# KiCad board emon36.kicad_pcb (continued)
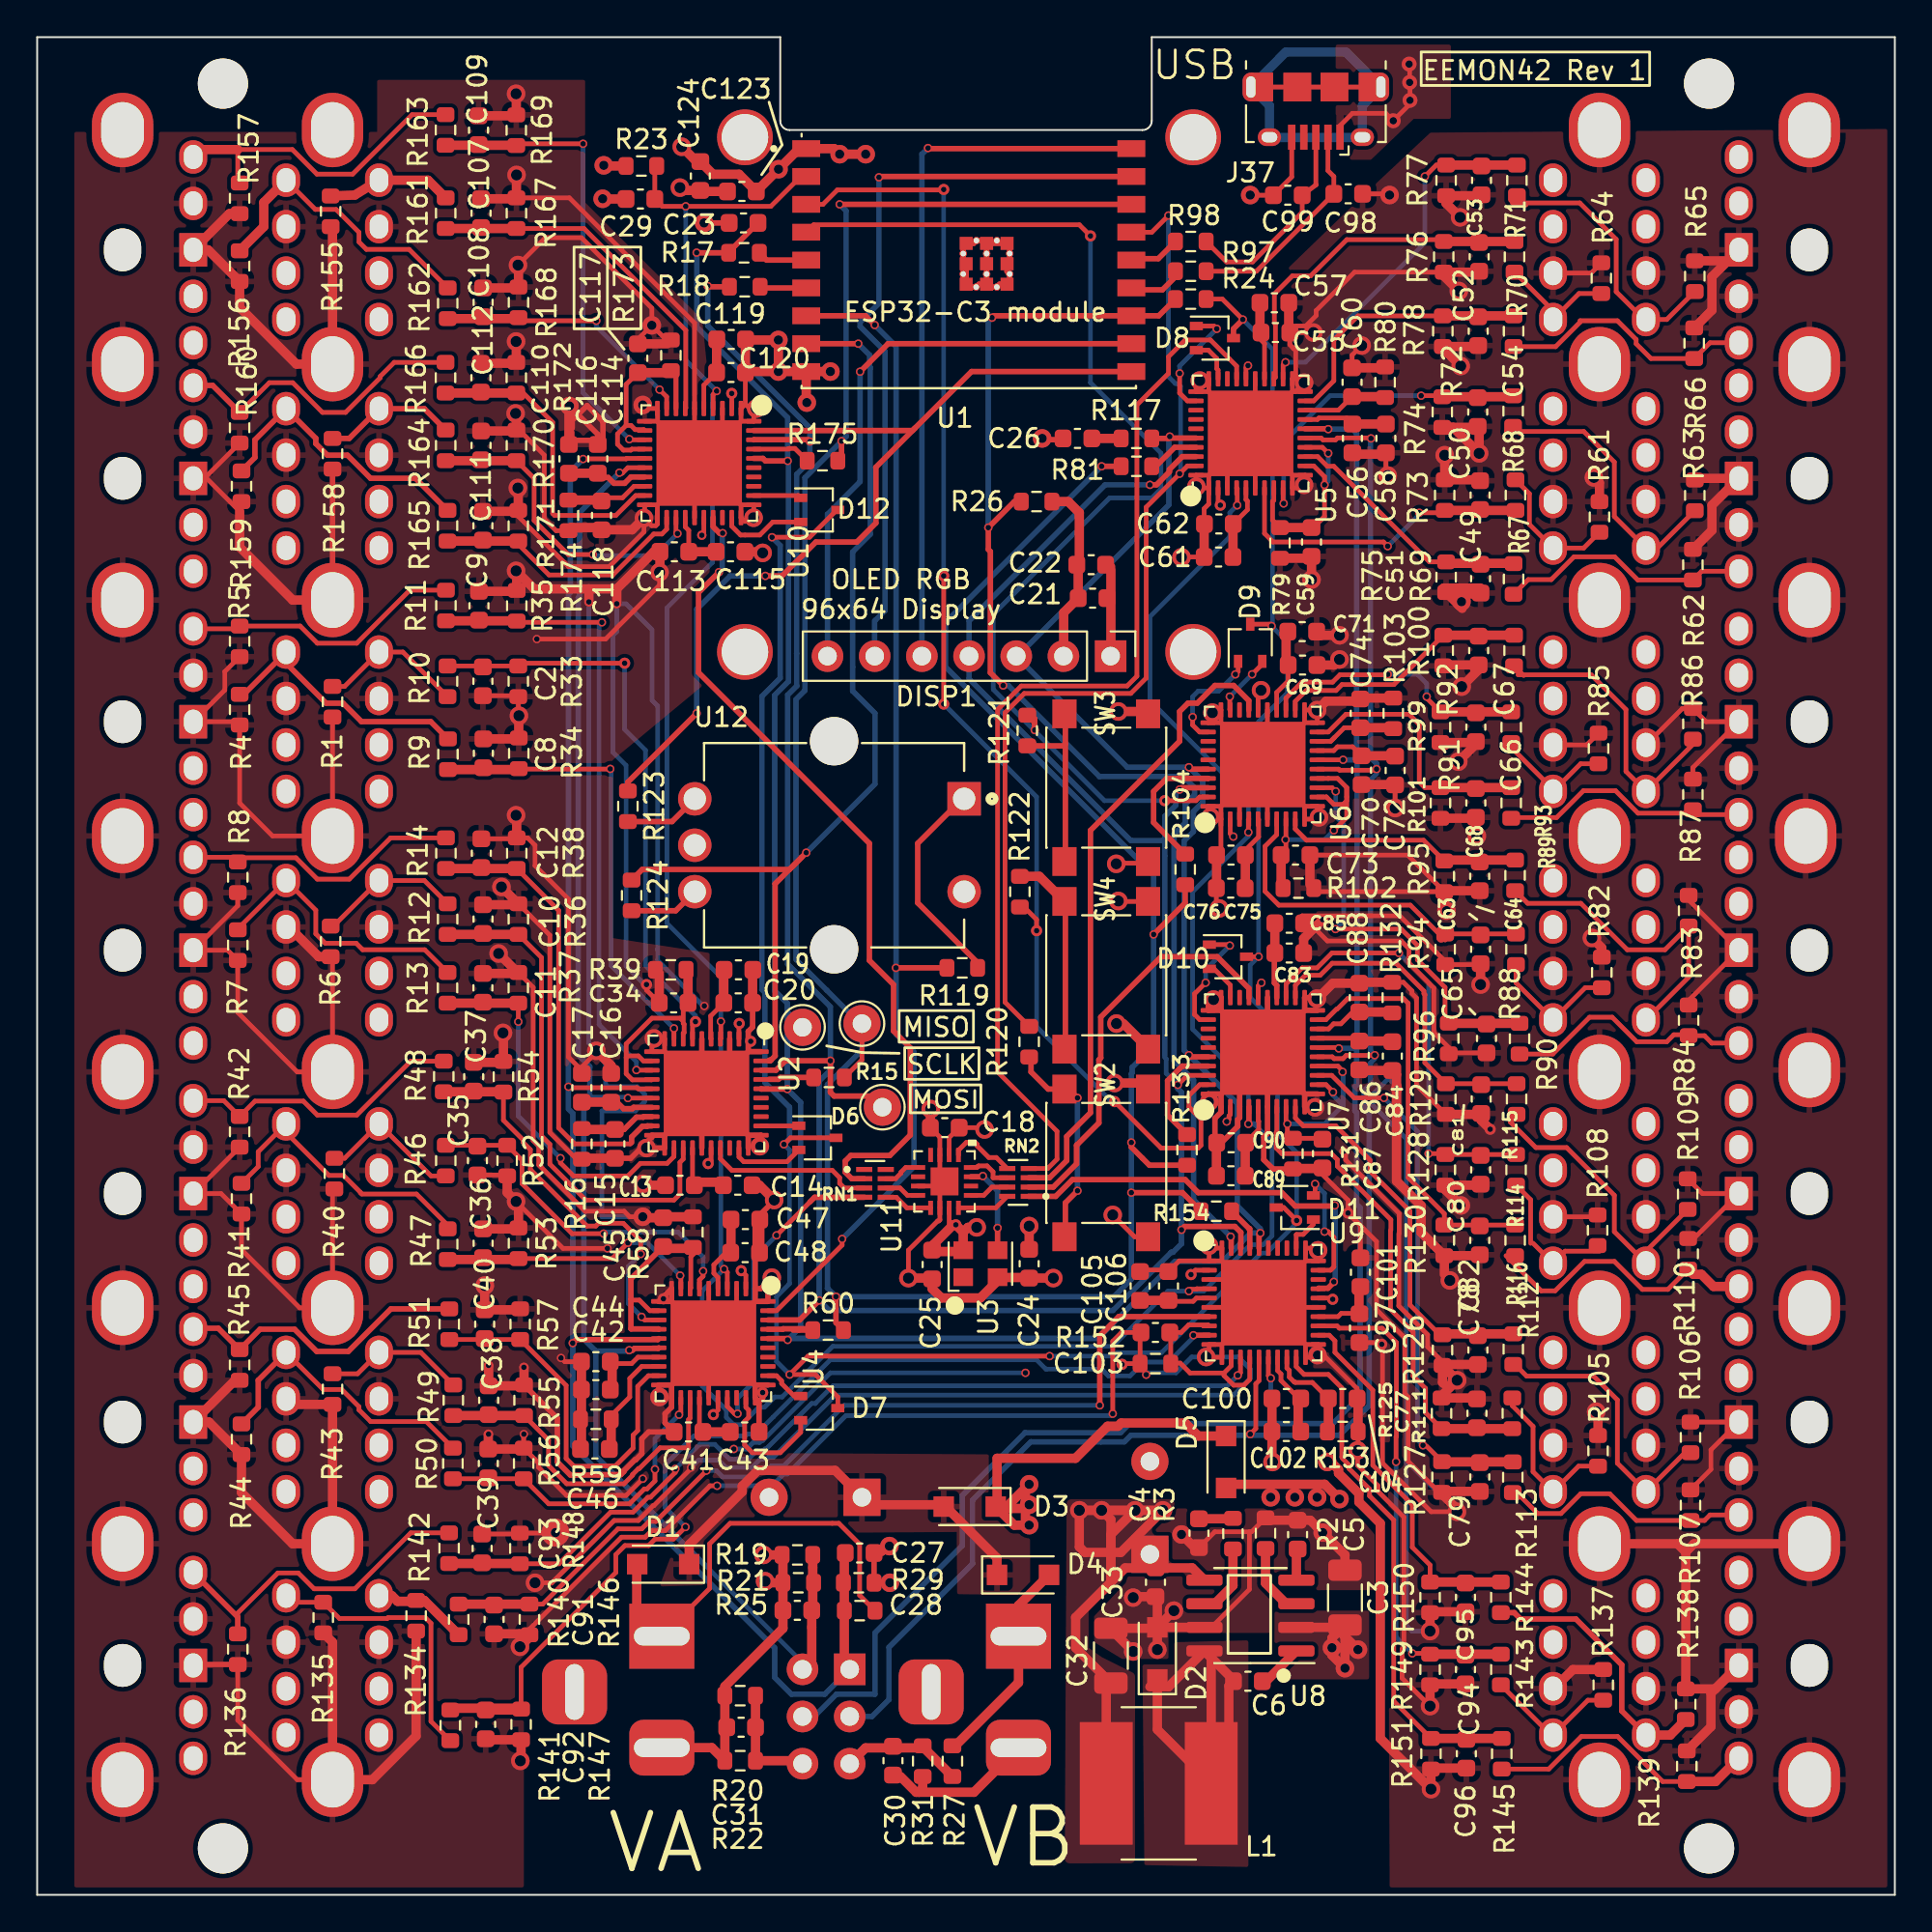
[diagram p0: board, top side]
## Routing (per net, layer and track width the routed paths; a pad name or vN(x,y) marks a point on that pad's centre or on a via; arc(x,y) is an arc through that point) (continued)
/CH6/IC_P: length 48.5
  Top Layer w0.25: U9.13 64.78,28.11 v3(64.63,27.96) ; R148.1 28.09,17.82 30.87,20.6 32.07,20.6 32.87,21.4 33.01,21.4 34.35,22.74 v3(34.35,22.93)
  Top Layer w0.5: R148.1 25.97,17.84 R142.2
  Bottom Layer w0.25: v3(34.35,22.93) 35.67,24.25 36.47,24.25 37.27,23.45 38.28,23.45 38.73,23.9 39.07,23.9 39.17,24 39.23,24 41.69,26.45 41.89,26.45 42.84,27.4 64.06,27.4 v3(64.63,27.96)
/CH6/IC_P_R: length 19.3
  Top Layer w0.25: R136.1 10.8,15.17 12.95,17.33 14.06,17.33 14.91,16.48 17.1,16.48 20.11,19.49 R142.1
  Top Layer w0.293: J14.5B 10.8,14.95 R136.1
/CH6/ID_P: length 26.4
  Top Layer w0.25: v3(73.15,23.31) 73.15,24.66 73.17,24.67 73.17,29.73 72.4,30.5 70.1,30.5 69.98,30.63 U9.23 ; 74.93,13 v3(74.02,13)
  Top Layer w0.5: R143.2 R149.1
  Bottom Layer w0.25: v3(73.15,23.31) 73.15,23.31 73.15,13.87 v3(74.02,13)
/CH6/ID_P_R: length 7.3
  Top Layer w0.25: 81.49,8.6 R143.1 ; J13.35A 83.48,10.48 R137.1
/CH6/IDEF_R: length 5.4
  Top Layer w0.25: U9.18 67.28,28.35 67.41,28.22 67.41,27.87 67.66,27.61 67.69,27.61 67.72,27.58 68.64,27.58 C104.1
  Top Layer w0.5: C104.1 69.5,24.99
/CH6/IE_P: length 19.9
  Top Layer w0.25: R150.1 74.98,17.75 74.02,18.71 74.02,21 71.9,23.13 71.9,27.16 69.86,29.2 69.86,29.82 69.55,30.13 U9.22
  Top Layer w0.5: R144.2 R150.1
/CH6/IE_P_R: length 14.5
  Top Layer w0.293: R144.1 79.51,15.19 79.85,14.85 82.83,14.85 85.3,12.38 85.3,9.9 J13.25A
  Top Layer w0.5: R138.1 87.91,8.6 J13.25A
/CH6/IF_P: length 28.1
  Top Layer w0.25: U9.19 67.78,28.44 68.2,28.01 69.5,28.01 70.23,27.29 70.23,23.57 70.27,23.52 70.27,23.48 70.63,23.13 70.63,22.94 71.72,21.84 71.72,21.48 73.02,20.18 73.02,10.43 R151.1
  Top Layer w0.5: R145.2 R151.1
/CH6/IF_P_R: length 15
  Top Layer w0.25: R145.1 81.37,6.77 83.12,8.53 85.08,8.53 87.5,6.1 R139.1
  Top Layer w0.5: R139.1 90.35,6.1 J13.5A
/CH6/IRQ0: length 6.6
  Top Layer w0.25: D11.2 68.79,37.74 v3(68.79,38.27) ; U9.29 69.62,33.63 69.8,33.8 69.8,35.4 69.5,35.7 v3(69.3,35.7)
  Bottom Layer w0.25: v3(68.79,38.27) 69.3,37.76 v3(69.3,35.7)
/CH6/IRQ1: length 2.1
  Top Layer w0.25: D11.1 68.7,36.1 68.15,35.55 67.8,35.55 67.78,35.53 U9.32
/CH6/MISO_R: length 2.4
  Top Layer w0.293: R154.1 65.23,35.87 65.25,35.87 65.28,35.85 U9.37
/CH6/REF: length 4.4
  Top Layer w0.25: 67.92,26.72 66.96,27.69 66.96,28.04 66.78,28.22 U9.17
  Top Layer w0.5: 67.88,24.91 67.88,26.64
/CLK0: length 44.6
  Top Layer w0.294: v3(36.9,73.3) 36.73,73.3 36.39,73.65 U10.27 ; RN1.2 43.85,38.55 43.5,38.9 43.5,39.5 43.8,39.8 45.9,39.8 47,40.9 47,45.6 46.1,46.5 46.1,49 44.8,50.3 44.8,56.6 35.6,65.8 35.6,70.1 v3(36.7,71.2)
  Bottom Layer w0.294: v3(36.7,71.2) 36.88,71.38 36.88,73.3
/CLK0_R: length 2
  Top Layer w0.25: U11.5 46.75,39.15 46.5,38.9 46.5,38.85 46.2,38.55 RN1.7
/CLK1: length 9.2
  Top Layer w0.25: RN1.3 43.45,38.05 43.2,38.3 43.2,38.6 42.8,39 37.4,39 36.78,39.62 U2.27
/CLK1_R: length 1.9
  Top Layer w0.25: U11.8 46.85,37.65 46.45,38.05 RN1.6
/CLK2: length 17.2
  Top Layer w0.25: v3(37.7,25.9) 37.54,25.9 37.15,26.29 U4.27 ; v3(39.8,35.5) 41.6,37.3
  Top Layer w0.294: 41.6,37.3 41.85,37.55 RN1.4
  Bottom Layer w0.25: v3(39.8,35.5) 38.57,34.27 38.57,27.6 37.7,26.73 v3(37.7,25.9)
/CLK2_R: length 2.6
  Top Layer w0.25: RN1.5 46.25,37.55 46.82,36.98 U11.9
/CLK3: length 58.7
  Top Layer w0.25: RN2.4 54.4,39.1 54.9,39.6 54.9,41.1 51.7,44.3 51.7,63.8 52.97,65.07 58.67,65.07 59.2,65.6 59.2,80.2 60.9,81.9 60.9,82.8 61.8,83.7 63.16,83.7 64.57,82.29 U5.27
/CLK3_R: length 3.7
  Top Layer w0.25: U11.1 49.59,40.08 50.01,40.5 50.5,40.5 50.6,40.4 50.6,40.32 51.23,39.69 51.63,39.69 RN2.5
/CLK4: length 34.3
  Top Layer w0.294: U6.27 65.22,64.29 64.41,65.1 63.4,65.1 62.45,64.15 61.95,64.15 61.5,63.7 61.5,62.1 56.7,57.3 56.7,42.1 55.42,40.82 55.42,39.53 54.5,38.6 RN2.3
/CLK4_R: length 2.4
  Top Layer w0.25: RN2.6 51.46,38.6 51.46,38.92 51.13,39.24 50.68,39.24 50.64,39.2 50.62,39.2 50.57,39.15 U11.16
/CLK5: length 22
  Top Layer w0.294: U7.27 65.23,48.79 63.52,50.5 60.5,50.5 57.25,47.25 57.25,45.05 57.15,44.95 57.15,41.55 55.95,40.35 55.95,39.35 54.7,38.1 RN2.2
/CLK5_R: length 2.1
  Top Layer w0.25: RN2.7 51.4,38.1 50.95,37.65 U11.13
/CLK6: length 22.6
  Top Layer w0.294: v3(69.85,37.11) 69.82,37.08 67.72,37.08 67,37.8 62.5,37.8 61.8,38.5 55.73,38.5 54.83,37.6 RN2.1 ; v3(69.8,33) 69.8,32.97 69.48,32.65 68.99,32.65 U9.27
  Bottom Layer w0.294: v3(69.8,33) 69.87,33.07 69.87,37.09 v3(69.85,37.11)
/CLK6_R: length 2.9
  Top Layer w0.25: RN2.8 51.6,36.98 U11.12
/IRQ: length 147
  Top Layer w0.25: v5(67.8,36.3) 67.1,37 D11.3 ; D7.3 43.1,26.8 41.89,28.01 v3(40.51,28.01) 40.51,28.01 41.5,29 v3(54.5,29) ; v3(64.9,84.8) 63.8,85.9 R24.2 ; D12.3 43.05,74.55 41.58,73.08 v3(39.56,73.08) ; D6.3 40.55,40.75 v3(40.2,40.4) ; v3(66.45,68.3) 66.35,68.4 D9.3 ; v3(65.75,50.5) D10.3
  Top Layer w0.294: D8.3 64.4,84.3 v3(64.9,84.8)
  Bottom Layer w0.25: v3(54.5,29) 57.96,29 58.14,29.18 60.52,29.18 65.88,34.55 66.19,34.55 67.8,36.16 v5(67.8,36.3) 67.8,39.95 66.77,40.98 66.77,46.83 65.3,48.3 65.3,50.05 v3(65.75,50.5) 65.75,63.15 67.3,64.7 67.3,67.45 v3(66.45,68.3) 66.5,68.35 66.5,83.2 v3(64.9,84.8) ; v3(40.51,28.01) 39.8,28.71 39.8,32.2 40.5,32.9 40.5,40.1 v3(40.2,40.4)
  Bottom Layer w0.294: v3(39.56,73.08) 40,72.64 40,65.5 39.01,64.51 39.01,48.73 39.17,48.57 39.17,43.73 40.5,42.4 40.5,40.7 v3(40.2,40.4)
/OLED_C/~{D}: length 40.6
  Top Layer w0.294: v3(45.31,92.46) 45.36,92.5 U1.17
  Bottom Layer w0.294: DISP1.6 45.09,68.58 45.64,69.14 45.64,83.08 44.3,84.43 44.3,84.66 45.31,85.67 v3(45.31,92.46)
/OLED_RES: length 38.4
  Top Layer w0.294: U1.18 47.99,94 v3(47.96,94.03)
  Bottom Layer w0.294: v3(47.96,94.03) 47.62,93.7 DISP1.5
/RESET: length 167.1
  Top Layer w0.25: v3(36.98,33.69) 37.15,33.51 U4.4 ; v3(65.2,57.2) 65.2,57.89 U6.4 ; v3(64.6,74.8) 64.6,75.7 U5.4 ; v3(62,32.5) 62.1,32.6 62.4,32.6 62.42,32.63 U9.4 ; U2.4 36.8,46.1 v3(36.8,47.02) ; v3(36.58,80.95) 36.39,80.76 U10.4 ; 41.1,92.5 39.49,90.89 v3(34.91,90.89) 33.64,90.89 C29.1 33.25,92.97
  Top Layer w0.294: U7.4 65.23,41.53 v3(65.2,41.5)
  Bottom Layer w0.25: v3(65.2,41.5) 65.2,43.6 62.2,46.6 62.2,54 65.2,57 v3(65.2,57.2) 65.2,59 59.9,64.3 59.9,68.8 64.2,73.1 64.2,74.4 v3(64.6,74.8) ; v3(34.91,90.89) 34.91,82.61 v3(36.58,80.95) 36.35,80.73 36.35,71.73 33.9,69.27 33.9,52.3 36.8,49.4 v3(36.8,47.02) 36.8,33.86 v3(36.98,33.69) 35.8,32.51 35.8,27.4 37.1,26.1 37.1,25.7 37.48,25.32 37.92,25.32 38.85,26.25 39.15,26.25 39.7,26.8 40.1,26.8 42.83,29.53 57.9,29.53 60.87,32.5 v3(62,32.5) 62.8,32.5 65.3,35 66,35 66.47,35.47 66.47,40.53 65.5,41.5 65.3,41.5
  Bottom Layer w0.294: v3(65.2,41.5) 65.5,41.5
/SPI_CS0: length 50.5
  Top Layer w0.293: v3(39.2,71) 40.1,71 41.92,72.82 44.12,72.82 45.15,73.85 45.15,76.85 47.25,78.95 ; U1.10 50.3,82 47.25,78.95 ; 47.25,78.95 47.12,78.82 U10.39
  Top Layer w0.294: R123.1 31.8,59.9 v3(35.5,63.6)
  Bottom Layer w0.293: v3(39.2,71) 37.3,71 35.5,69.2 v3(35.5,63.6)
/SPI_CS1: length 54.8
  Top Layer w0.293: 39.4,44.9 39.5,44.93 39.43,44.93 39.4,44.9 ; 39.4,44.9 39.47,44.9 39.73,45.16 39.73,54.43 v3(41.4,56.1) ; U1.8 v3(44.2,83.5)
  Top Layer w0.294: 41.15,55.85 40.5,55.2 32.57,55.2 R124.1
  Bottom Layer w0.293: v3(41.4,56.1) 45.1,59.8 45.1,63.6 43.9,64.8 43.9,72.29 44.85,73.24 44.85,82.22 44.81,82.26 44.81,82.89 v3(44.2,83.5)
/SPI_CS2: length 64.1
  Top Layer w0.25: v3(43.33,35.31) 43.33,34.98 39.8,31.44 U4.39
  Top Layer w0.294: R119.1 v3(46.23,49.9) ; U1.7 44.59,85 v3(45.09,84.51)
  Bottom Layer w0.294: v3(45.09,84.51) 46.23,83.36 46.23,46.33 47.2,45.36 47.2,39.2 46.23,38.23 46.23,38.21 v3(43.33,35.31)
/SPI_CS3: length 55.2
  Top Layer w0.25: R120.1 52.1,48.05 52.1,63.64 53.14,64.67 58.87,64.67 59.7,65.5 59.7,74.7 v3(61.5,76.5) 61.92,76.92 U5.39 ; v3(60.9,90.4) 60,89.5 U1.15
  Bottom Layer w0.25: v3(61.5,76.5) 61.55,76.55 61.55,81.21 61.41,81.35 61.27,81.35 60.9,81.72 v3(60.9,90.4)
/SPI_CS4: length 62.9
  Top Layer w0.25: U1.4 41.8,89.9 56.1,89.9 v5(56.7,89.3) ; U6.39 62.57,59.1 62.38,58.9 v5(60.7,58.9)
  Top Layer w0.294: R121.1 53.7,63.1 v3(53.7,62.7) 53.7,63.3 53.4,63.6
  Bottom Layer w0.25: v5(60.7,58.9) 57.45,58.9 51.47,64.88 51.47,68.94 57.73,75.2 60,75.2 60.5,75.7 60.5,77.6 56.7,81.4 v5(56.7,89.3)
/SPI_CS5: length 72.5
  Top Layer w0.25: R122.1 53.12,53.18 53.8,52.5 v5(53.8,51.9) ; U1.3 42.3,91 43.08,91.78 48.78,91.78 v5(48.8,91.8) ; U7.39 62.58,43.61 62,43.03 62,42.4 62.65,41.75 62.65,40.35 62.5,40.2 60.5,40.2 58,42.7 v5(58,42.7) ; v5(48.8,71) v5(48.8,64.1)
  Bottom Layer w0.25: v5(58,42.7) 57.83,42.7 53.8,46.73 v5(53.8,51.9) 53.8,59.1 v5(48.8,64.1) ; v5(48.8,71) v5(48.8,91.8)
/SPI_CS6: length 72
  Top Layer w0.294: v3(51.4,84.9) 51.5,85 U1.12 60.38,85 R24.1 ; R26.1 52.6,75 v3(51.2,73.6) 51.2,72.42 51.31,72.31 51.31,65.79 v3(52,65.1) ; U9.39 64.28,35.4 v3(64.24,35.43)
  Bottom Layer w0.294: v3(64.24,35.43) 62.25,37.42 62.25,43.85 61.2,44.9 61.2,57.1 61.8,57.7 61.8,58.7 62.3,59.2 62.3,59.6 61.7,60.2 57.18,60.2 52.28,65.1 v3(52,65.1) ; v3(51.2,73.6) 51.2,84.7 v3(51.4,84.9)
/SPI_CS7: length 31.3
  Top Layer w0.294: U1.11 45.81,83.5 v3(44.3,81.99)
  Bottom Layer w0.294: DISP1.7 42.55,74.32 44.3,76.07 v3(44.3,81.99)
/SPI_MISO: length 165.3
  Top Layer w0.25: TP3.1 44.4,44.95 R15.2
  Top Layer w0.293: 59.5,39.65 58.9,40.25 v3(58.9,40.5) ; 43.3,77.4 v3(43.3,78.25) ; U1.16 v3(43.2,91) ; R60.2 43,30.8 v3(43,32.2) ; v3(57.3,76.9) R81.2
  Top Layer w0.294: R104.2 61.8,53.4 v3(60.1,51.7) ; 59.5,39.65 59.88,39.28 R133.2 ; R154.2 61.65,37.8 v3(58.9,37.8)
  Bottom Layer w0.293: v3(57.3,76.9) 48.9,68.5 48.9,66.1 60.1,54.9 60.1,45.7 58.95,44.55 58.95,44.25 58.9,44.2 58.9,33.14 57.96,32.2 v3(43,32.2) 42.54,32.66 42.54,43.62 44.4,45.48 TP3.1 44.3,46.9 40.85,50.35 40.85,64.35 41.33,64.83 41.33,76.28 v3(43.3,78.25) 43.55,78.5 43.55,90.65 v3(43.2,91)
/SPI_MOSI: length 162.1
  Top Layer w0.25: U7.38 61.91,44.11 v3(61.4,43.6)
  Top Layer w0.293: v3(61.5,59.5) 61.6,59.6 U6.38 ; U2.38 39.77,44.39 40.28,44.9 v3(42.7,44.9) 42.7,43.2 42.9,43 44.9,43 TP2.1 ; v3(36.1,86.6) 36.14,86.56 R18.2 ; U10.38 38.58,78.33 41.5,78.33 v3(41.6,78.23) ; v3(59.9,75.9) 60.25,75.9 60.95,76.6 60.95,76.73 61.64,77.42 U5.38 ; U4.38 41.04,30.94 v3(42.1,32)
  Top Layer w0.294: U9.38 64.8,34.83 64.8,35.66 64.47,35.98 61.78,35.98 v3(61.6,35.8)
  Bottom Layer w0.25: 60.7,45.2 60.7,45.08 60.78,45 60.78,44.22 v3(61.4,43.6)
  Bottom Layer w0.293: v3(61.4,43.6) 61.4,43.4 61.6,43.2 61.6,35.04 61.15,34.59 61.05,34.59 57.91,31.46 42.64,31.46 v3(42.1,32) 42.1,43.81 42.7,44.41 42.7,47.8 40.4,50.1 40.4,64.59 ; v3(59.9,75.9) 57.48,75.9 50.17,68.58 50.17,65.46 58.87,56.76 60.7,56.76 ; 60.7,56.76 60.7,45.2 ; 60.7,56.76 60.7,58.06 61.3,58.65 61.3,59.3 v3(61.5,59.5) ; 40.41,64.59 40.89,65.07 40.89,76.47 41.6,77.18 v3(41.6,78.23) 41.6,78.96 36.1,84.46 v3(36.1,86.6)
/SPI_SCLK: length 160.8
  Top Layer w0.293: R17.2 35.51,88.39 v3(35.5,88.4) ; v3(62,45.2) 62.09,45.11 U7.36 ; U10.36 39.07,77.32 39.2,77.19 v3(40.4,77.19) ; R117.1 60.87,78.4 v3(60.97,78.5) 61.05,78.42 U5.36 ; U9.36 65.78,35.55 v3(65.85,35.62) ; U2.36 38.98,43.38 v3(40.38,43.38) ; v3(62,60.7) 62.1,60.6 U6.36 ; 37.22,88.42 C23.1 ; U4.36 40.33,29.94 v3(40.4,29.87)
  Bottom Layer w0.293: 40.38,45.82 v3(40.38,43.38) 41.1,42.66 41.1,30.57 v3(40.4,29.87) 40.48,29.95 57.11,29.95 61.25,34.1 63.8,34.1 64.83,35.12 64.83,35.13 65.32,35.62 v3(65.85,35.62) 65.85,35.85 64.61,37.09 64.61,41.86 64.6,41.87 64.6,42.6 v3(62,45.2) 61.74,45.46 61.74,56.74 62.24,57.24 62.24,58.32 62.74,58.82 62.74,59.96 v3(62,60.7) 58.69,60.7 DISP1.3 52.78,66.68 60.92,74.82 60.92,78.45 v3(60.97,78.5) ; 40.38,45.82 40.38,47.99 ; 40.38,45.82 40.38,45.88 TP1.1 40.38,47.52 40.38,47.99 ; 35.51,88.39 35.51,84.41 40.4,79.52 v3(40.4,77.19) 40.44,77.15 40.44,65.32 39.7,64.57 39.7,48.67 40.38,47.99
/SW_BOOT: length 2.5
  Top Layer w0.5: C6.1 66.15,11.5 U8.1
/SW_COMP: length 3.4
  Top Layer w0.5: 63.39,15.67 64.37,16.65 R3.1
/SW_EN: length 3.4
  Top Layer w0.5: R2.1 66.12,16.78 67.23,15.67
/SW_PH: length 25.6
  Top Layer w0.5: D2.1 60.3,8.9 L1.1 63.2,12.77 U8.8 ; 64.4,11.57 U8.8 ; U8.8 60.9,11.2 59.9,11.2 ; 64.15,6 64.15,11.25 C6.2
/SW_SS: length 1.6
  Top Layer w0.5: U8.4 67.79,18.55
/USB_D+: length 11.1
  Top Layer w0.25: R98.1 64.03,87.9 65.42,87.9 68.1,90.57 C99.1 ; J37.3 68.83,92.07 68.85,92.05 68.11,91.5
/USB_D-: length 11.8
  Top Layer w0.25: J37.2 69.48,92.82 69.8,92.5 69.8,91.57 C98.1 65.63,87.4 R97.1
/VA+: length 94.1
  Top Layer w0.25: U2.15 32.35,43.39 32.3,43.45 28.85,43.45 ; v3(29.39,77.29) 29.4,77.3 31.71,77.3 31.73,77.32 U10.15
  Top Layer w0.293: v3(28.83,29.7) 29.02,29.89 33.41,29.89 U4.15
  Top Layer w0.5: J17.1 43.45,12.43 R25.2 43.45,18.35
  Bottom Layer w0.293: J17.1 42.4,10.8 40.6,10.8 39.71,11.69 39.71,13.29 28.84,24.16 28.84,42.06 28.6,42.3 v3(28.6,43.5) 28.6,70 28.7,70.11 28.7,76.61 v3(29.39,77.29)
/VA-: length 85.3
  Top Layer w0.25: v3(31.34,76.56) 31.37,76.53 31.5,76.53 31.8,76.82 U10.16 ; U2.16 v3(31.8,42.89)
  Top Layer w0.293: U4.16 33.43,29.42 32.15,29.42 32.05,29.32 v3(31.87,29.32)
  Top Layer w0.5: 41.75,15.31 R19.2 ; J17.2 41.7,12.64 C28.1
  Bottom Layer w0.25: 35.99,17.7 36,17.7 41.2,12.5 J17.2 ; v3(31.8,42.89) 31.75,42.95 29.75,42.95
  Bottom Layer w0.293: 30.07,29.27 29.43,29.91 29.43,42.73 29.7,43 ; 30.07,29.27 31.83,29.27 v3(31.87,29.32) ; 30.07,29.27 30.07,23.62 35.99,17.7 ; v3(31.34,76.56) 29.2,74.41 29.2,69.9 29.13,69.84 29.13,45.21 29.75,44.59 29.75,42.95
/VB+: length 105.7
  Top Layer w0.25: v3(72,45.2) 71.99,45.19 70.47,45.19 70.29,45.01 69.81,45.01 69.71,45.11 U7.15 ; v3(71.8,78.4) 71.77,78.43 69.99,78.43 69.89,78.32 69.22,78.32 69.12,78.42 U5.15 ; v3(65.3,24.8) 65.6,25.1 65.6,27.51 65.78,27.68 U9.15 ; U6.15 70.06,60.6 70.11,60.54 72.04,60.54 v3(72.1,60.6)
  Bottom Layer w0.25: 71.78,44.78 72,45 v3(72,45.2) ; 71.78,60.03 72.1,60.35 v3(72.1,60.6)
  Bottom Layer w0.293: v3(72,45.2) 71.78,45.43 71.78,60.03 ; v3(72.1,60.6) 72.1,60.9 71.78,61.23 71.78,78.4 ; 71.78,44.78 71.78,43.64 71.43,43.3 71.43,42.3 71.7,42.03 71.7,26.35 70.09,24.74 58.88,24.74 58.53,24.39 57.27,24.39 57.27,24.39 53.49,24.39 50.35,21.25 50.35,17.83 45.85,13.33 45.85,10.51 44.94,9.6 J17.3
/VB-: length 103.4
  Top Layer w0.25: U7.16 70.02,45.61 ; U9.16 66.28,27.94 v3(66.41,27.81) ; v3(70.3,61.1) 70.3,61.1 U6.16
  Top Layer w0.293: v3(69.5,78.9) 69.48,78.92 U5.16 ; 70.02,45.61 v3(70.07,45.56)
  Bottom Layer w0.25: v3(66.41,27.81) 66.41,25.41 66.38,25.38
  Bottom Layer w0.293: v3(70.07,45.56) 70.08,45.58 71.03,45.58 ; v3(70.3,61.1) 71,61.1 71.03,61.08 ; 71.03,45.58 71.05,45.6 71.05,61.05 71.03,61.08 ; 71.03,45.58 71.03,43.59 70.94,43.5 70.94,42.2 71.03,42.11 71.03,37.19 71.21,37 71.21,26.84 69.74,25.38 58.82,25.38 58.32,24.88 57.48,24.88 53.18,24.88 49.8,21.5 49.8,18.8 45.1,14.1 45.1,10.8 43.03,10.8 41.83,9.6 J17.4 ; 71.03,61.08 71.03,78.68 70.8,78.9 v3(69.5,78.9)
/VBI+: length 6.5
  Top Layer w0.5: R27.2 47.73,7.91 44.59,7.91 J17.5
/VBI-: length 5.9
  Top Layer w0.5: R20.2 R22.1 41.04,7.22
/Vrect: length 22.3
  Top Layer w0.5: D4.1 51.67,18.13 48.9,20.9 D3.2 48.7,21 44.8,21 C1.1 42.95,22.85 38.8,22.85 37.95,22 37.95,21.7 35.1,18.85 D1.1
Net-(C4-Pad1): length 1.8
  Top Layer w0.5: C4.1 64.34,20.24
Net-(C26-Pad1): length 1.6
  Top Layer w0.5: R117.2 C26.1
Net-(D1-Pad2): length 23.5
  Top Layer w0.25: J1.1 36.2,16.5 36.2,18.9 37.3,20 43.15,20 44.28,18.88 44.28,16.13 R25.1
  Top Layer w0.5: 32.28,17.95 32.28,15.27 J1.1
Net-(D4-Pad2): length 11.2
  Top Layer w0.5: D4.2 52.83,15.58 J4.1 52.83,11.43 49.47,8.07
Net-(R17-Pad1): length 2.7
  Top Layer w0.293: U1.5 39.27,88 R17.1
Net-(R18-Pad1): length 2.4
  Top Layer w0.293: U1.6 38.98,86.5
Net-(R97-Pad2): length 2.4
  Top Layer w0.293: 61.17,87 60.58,86.4 59,86.4
Net-(R98-Pad2): length 2.7
  Top Layer w0.293: R98.2 60.35,88.08 58.98,88.08
Net-(R119-Pad2): length 11.5
  Top Layer w0.294: U12.1 49.8,59 47.4,56.6 47.4,53.4 50.62,50.18 R119.2
Net-(R120-Pad2): length 11.6
  Top Layer w0.294: v3(56,42.9) 55.53,43.38 55.35,43.38 ; 55.35,35.43 55.35,37.25 v3(56,37.9) ; R120.2 53.5,45 53.5,44.3 54.42,43.38 SW2.2
  Bottom Layer w0.294: v3(56,37.9) v3(56,42.9)
Net-(R121-Pad2): length 10.1
  Top Layer w0.294: 55.35,61.95 55.25,61.85 R121.2 ; 55.35,61.95 55.35,55.63 ; 55.35,61.95 55.35,63.53 SW3.2
Net-(R122-Pad2): length 10.9
  Top Layer w0.294: 55.35,53.48 55.35,45.53
  Top Layer w0.5: R122.2 53.95,54.83 SW4.2
Net-(R123-Pad2): length 4.1
  Top Layer w0.294: U12.A 34.17,57.78 R123.2
Net-(R124-Pad2): length 3.8
  Top Layer w0.294: U12.B 34.38,52.98 R124.2
Net-(U11-Pad15): length 5
  Top Layer w0.294: v3(51.7,35.9) U3.3 ; U11.15 50.87,38.65 v3(50.91,38.69)
  Bottom Layer w0.294: v3(50.91,38.69) 51.7,37.9 v3(51.7,35.9)
unconnected-(J37-Pad6): length 26.8
  Top Layer w0.25: J37.6 J37.6
  Bottom Layer w0.5: J37.6 71.33,96.31 J37.6 70.45,99.2 67.22,99.2 J37.6 66.33,96.31 J37.6 66.35,94.6 71.32,94.6 J37.6

## Copper pours and planes (outline as drawn; the poured copper is in the pictures)
3V3 on Top Layer: 63.6,16.5 58,16.5 57.3,16 56.6,15.3 56.6,13.3 57.3,12.8 59.1,11.9 59.1,1.7 55.32,1.7 55.42,21.3 63.6,21.3
3V3 on In2.Cu: 75.7,92.9 75.7,22.7 65.21,22.7 65.1,16.3 69.57,16.3 69.5,0 0,0 -0.01,100 69.7,100 69.7,92.9
/Vin on Top Layer: 71.7,11.6 66.6,11.6 66.6,15.3 71.7,15.3
/Vin on Bottom Layer: 58.6,16.9 69.3,15.8 72.23,15.7 72.2,11.7 67.9,11.4 58.3,11 51.6,21 54.6,24
GND on Top Layer: 72,19.4 72,16.4 69.1,16.4 68.25,16.37 66.4,16.4 66.4,14.1 60.9,14.1 60.9,12.7 58.4,12.7 56.9,13.6 56.89,15 58.6,16.8 59.8,20.8 70.8,20.8
GND on Top Layer, Bottom Layer: 99.6,0.26 72.81,-0.14 72.71,24.36 66.5,24.46 66.52,30.36 70.3,31.86 70.3,37.46 66.55,39.46 66.71,86.96 71.3,91.4 75,94.86 99.6,95.06
GND on Top Layer, Bottom Layer: 29.5,91.1 35.8,84.8 36.2,80.9 36.2,65.4 31,61.1 31,51.5 36.2,50.7 36.2,16.6 29.7,16.5 26.2,12.1 26.2,0.3 2,0.3 2,94.9 18.3,94.9 18.3,97.7 29.5,97.7
GND on Bottom Layer: 36.1,80.8 36.1,16.5 29.6,16.4 26.1,12 26.1,0.2 1.9,0.2 1.9,94.8 30.2,94.8
GND on Bottom Layer: 72.6,24.3 45.7,25 40.8,19.9 35.2,19.9 35.2,25.3 37.9,25.3 41,28.7 59.8,28.7 62.9,31.1 72.6,31.2
GND on Bottom Layer: 99.6,0.2 72.81,-0.2 72.71,24.3 66.5,24.4 66.52,30.3 70.3,31.8 70.3,37.4 66.55,39.4 66.71,86.9 74.9,86.9 75,94.8 99.6,95
GND on In1.Cu: 100,0 0,0 -0.01,100 100,100
VBUS on Top Layer: 76.1,95.6 74.1,95.6 71.8,93.4 69.9,93.4 69.9,99.9 76.1,99.9
VBUS on In2.Cu: 100,17 65.8,17 65.8,22.1 92.6,21.96 93.2,94.66 70.3,94.8 70.3,100 100,100
/SW_PH on Top Layer: 65.2,1.5 59.6,1.6 59.5,12.4 61.2,12.4 61.2,13.6 65.2,13.7
/Vrect on Top Layer: 53.43,23.7 53.46,16.14 49.52,16.18 49.5,19.53 37.02,19.45 36.9,16.7 33.5,16.6 36.2,23.8

## Text on the board
Bottom Overlay: 9-15VAC | VB | CH18-42 Voltage / reference | VA | Single-board, 42 channels, / split-phase energy monitor / Designer: J.-F. Cliche / eemon42@jfcliche.com / Rev 1, 2022-12-02 | VA/VB | CH30 | CH39 | CH33 | CH27 | CH24 | CH21 | CH18 | CH31 | CH40 | CH34 | CH28 | CH25 | CH22 | CH19 | CH32 | CH41 | CH35 | CH29 | CH26 | CH23 | CH20 | CH8 | CH2 | CH17 | CH11 | CH14 | 38 | CH5 | CH7 | CH1 | CH16 | CH10 | CH13 | CH4 | 37 | CH12 | CH15 | CH6 | CH0 | CH9 | CH3 | 36 | SN: | EEMON42
Top Overlay: OLED RGB / 96x64 Display | MISO | SCLK | ESP32-C3 module | EEMON42 Rev 1 | USB | VA | VB
